# Altium PCB PCB2.PcbDoc
Units mil, origin at the board's own origin, x right, y up, seen from the top; angles counter-clockwise.
Board outline 3937.01 x 3937.01 mil, 2 copper layers (Top Layer, Bottom Layer); 68 components, 63 nets, 246 pads, 59 vias.
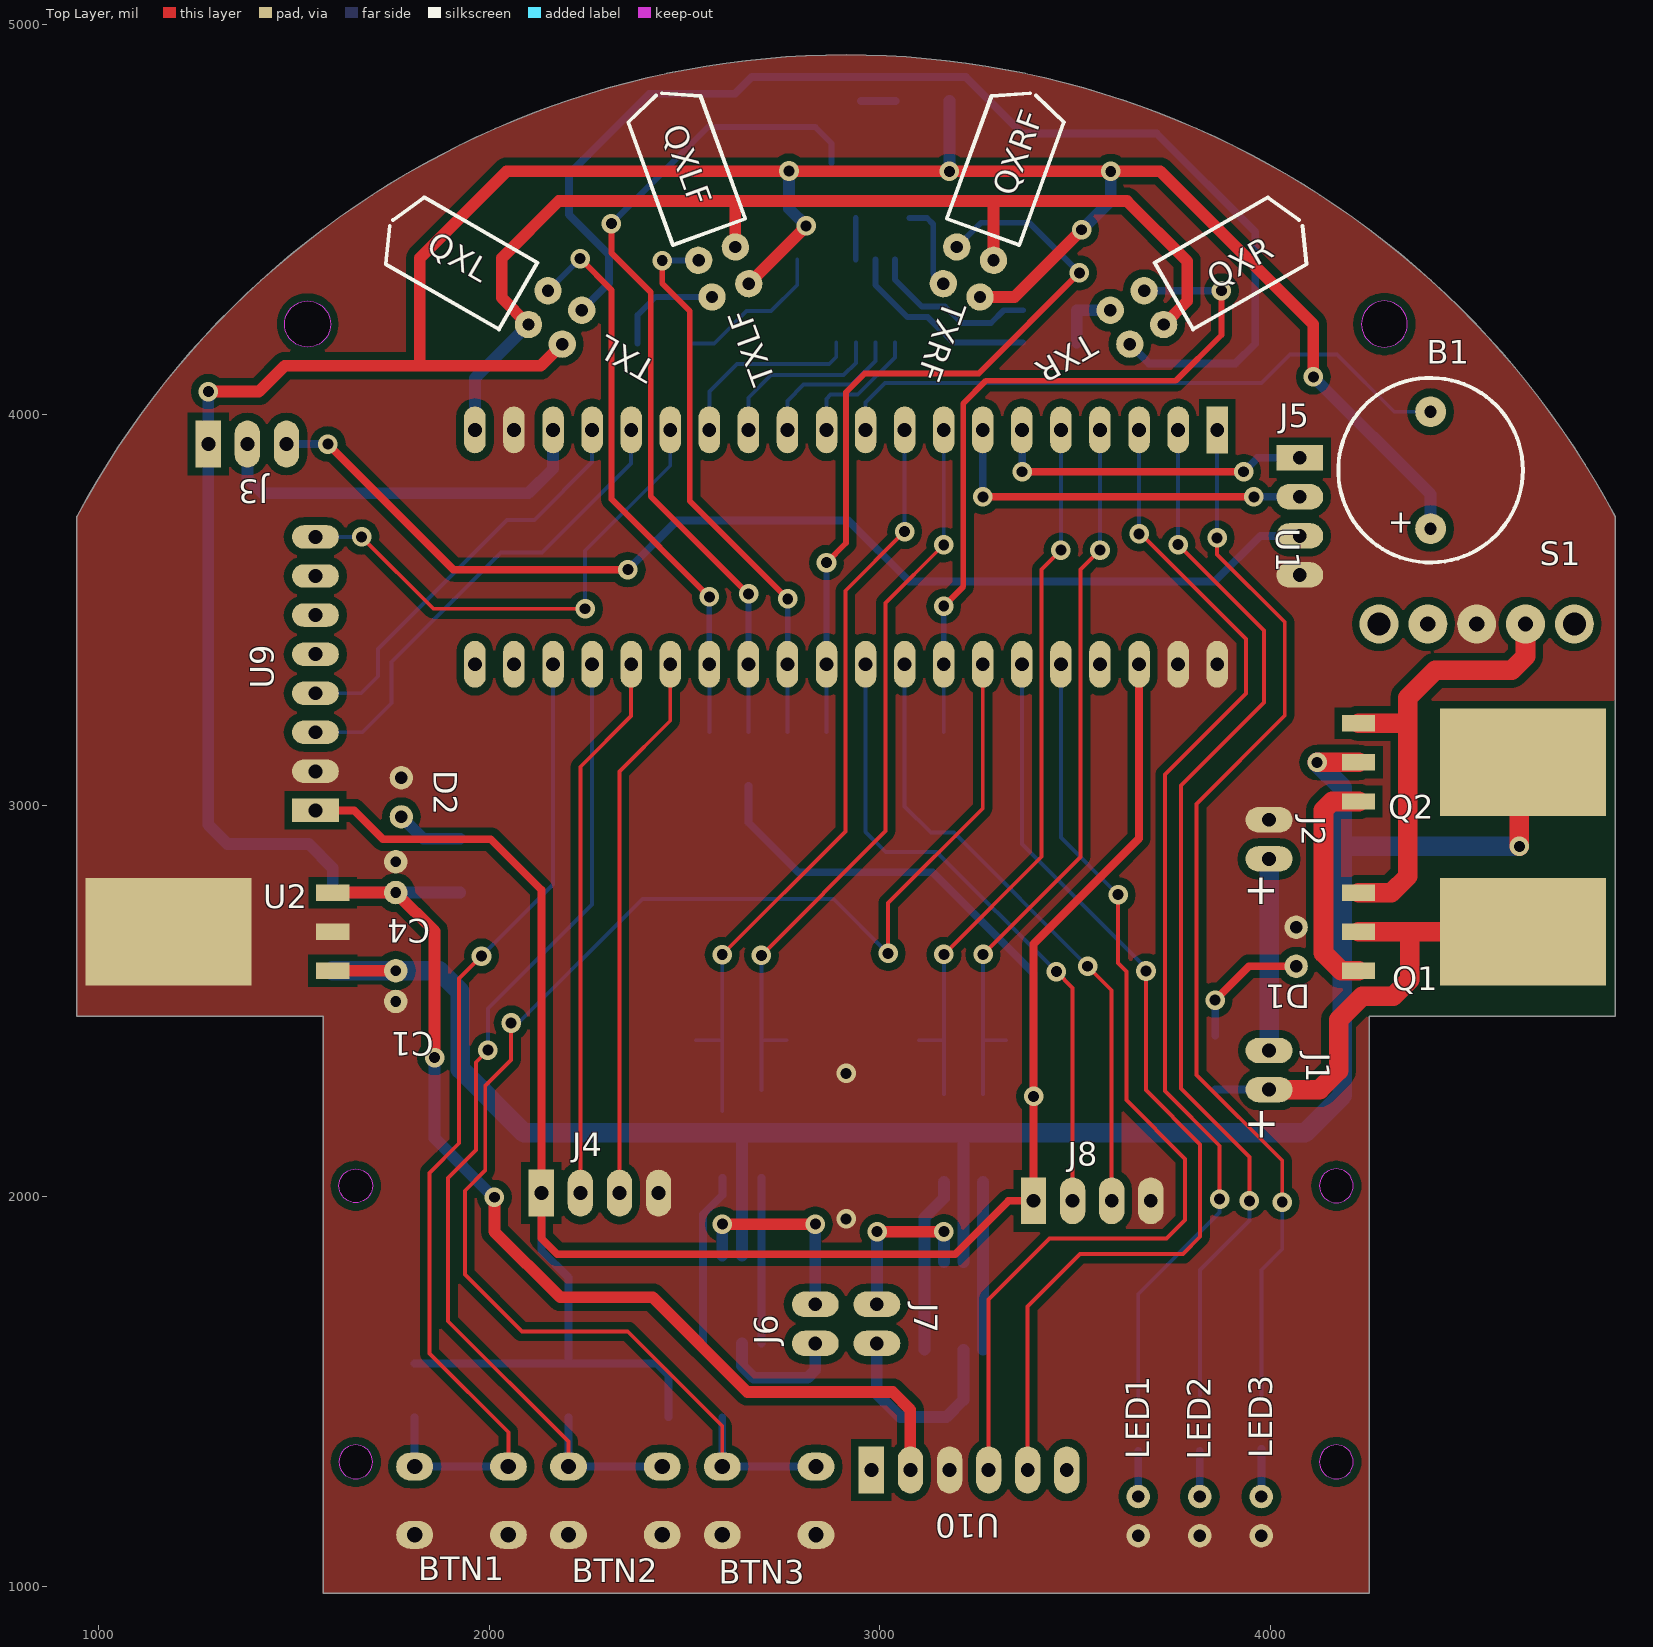
[diagram p0: Top Layer view]
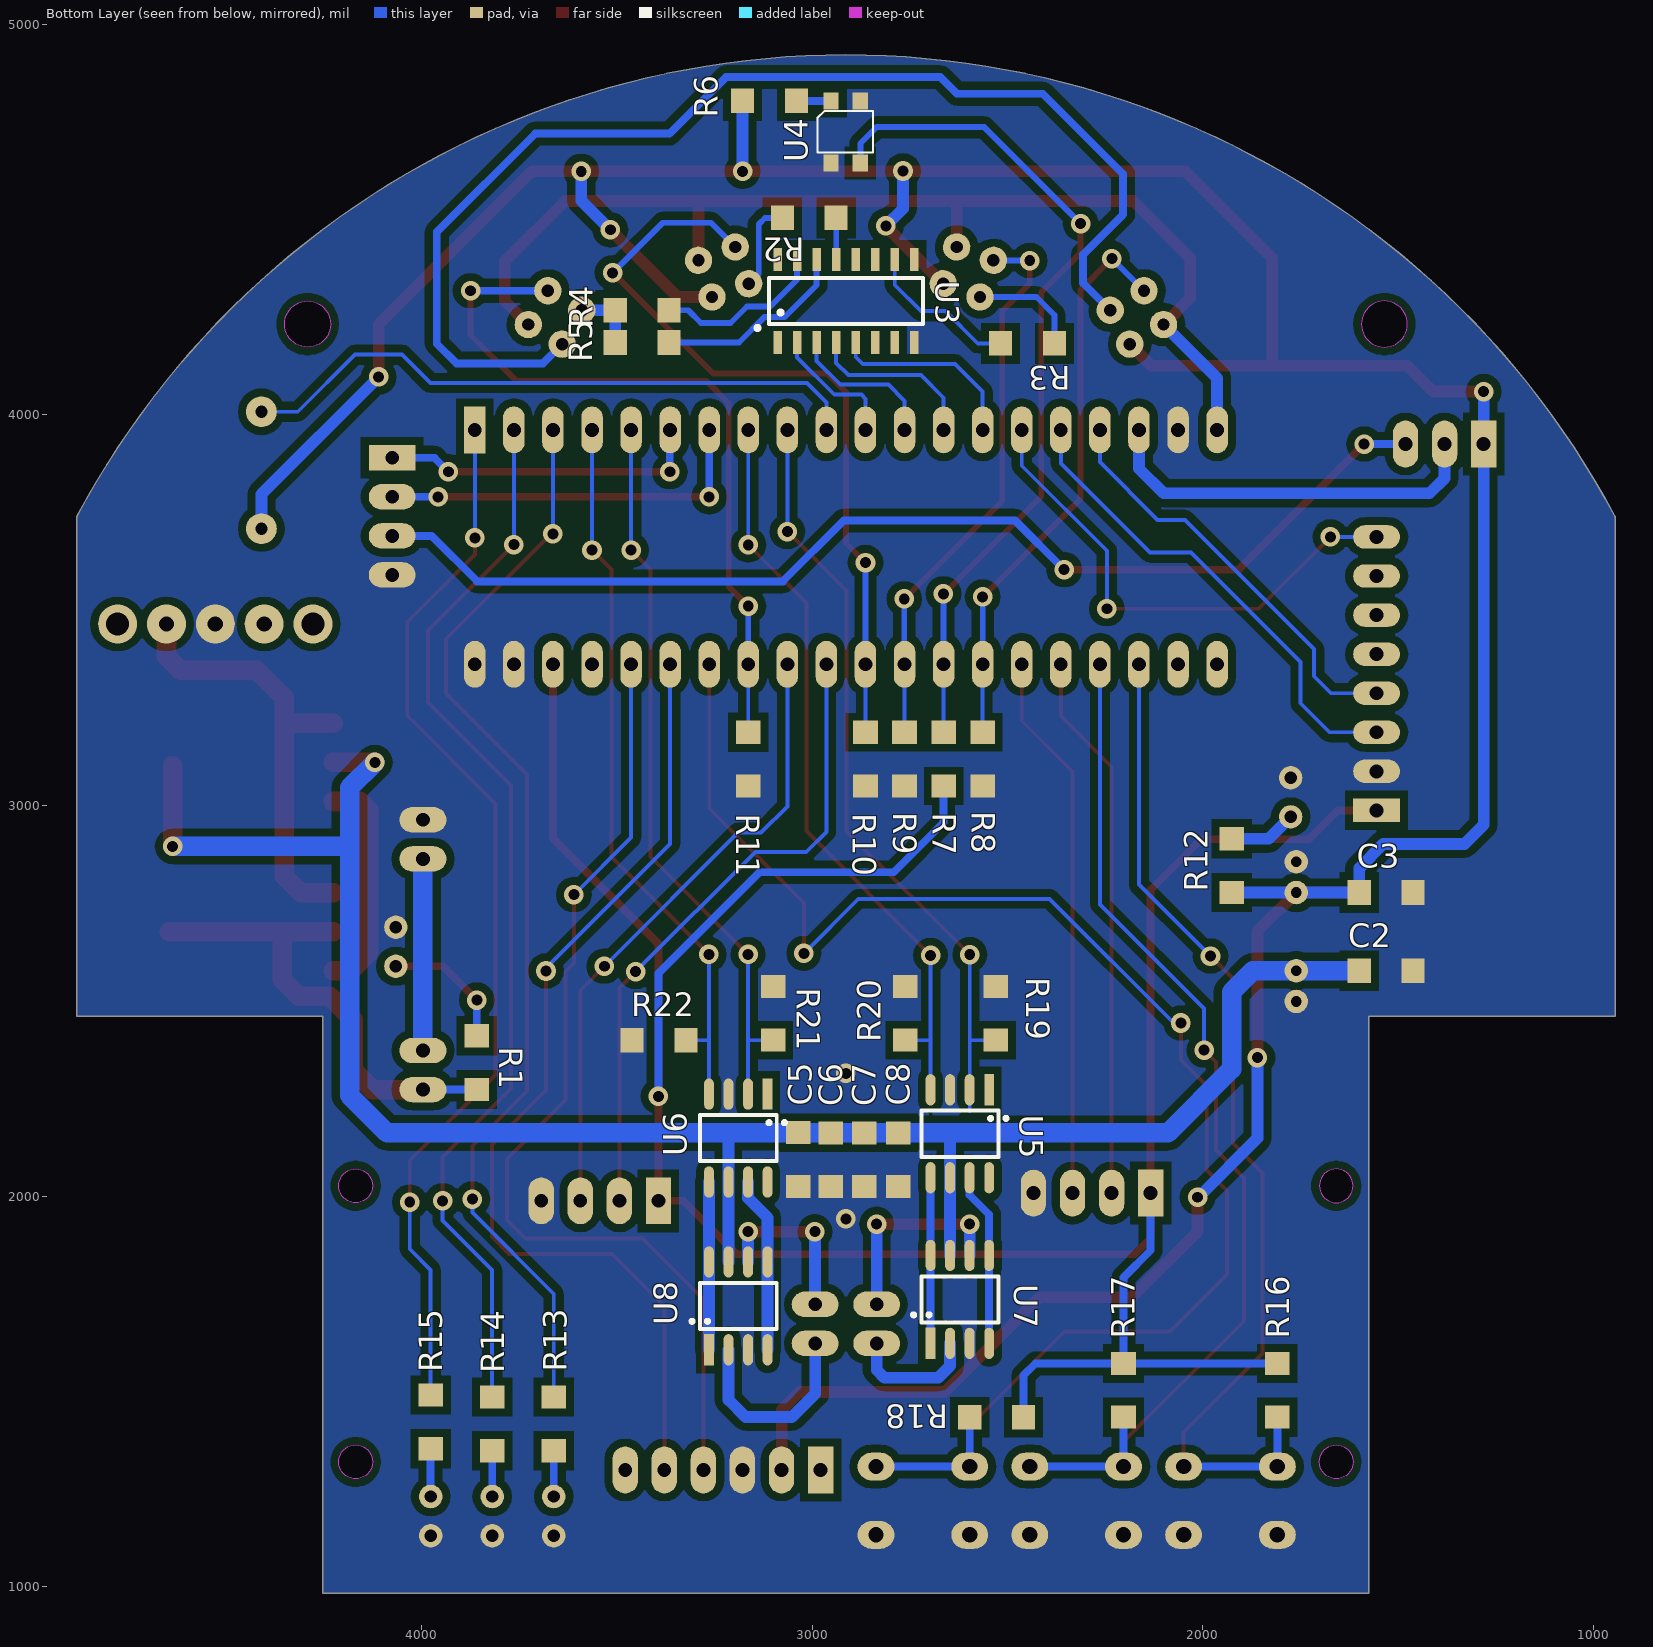
[diagram p1: Bottom Layer view, seen from below]
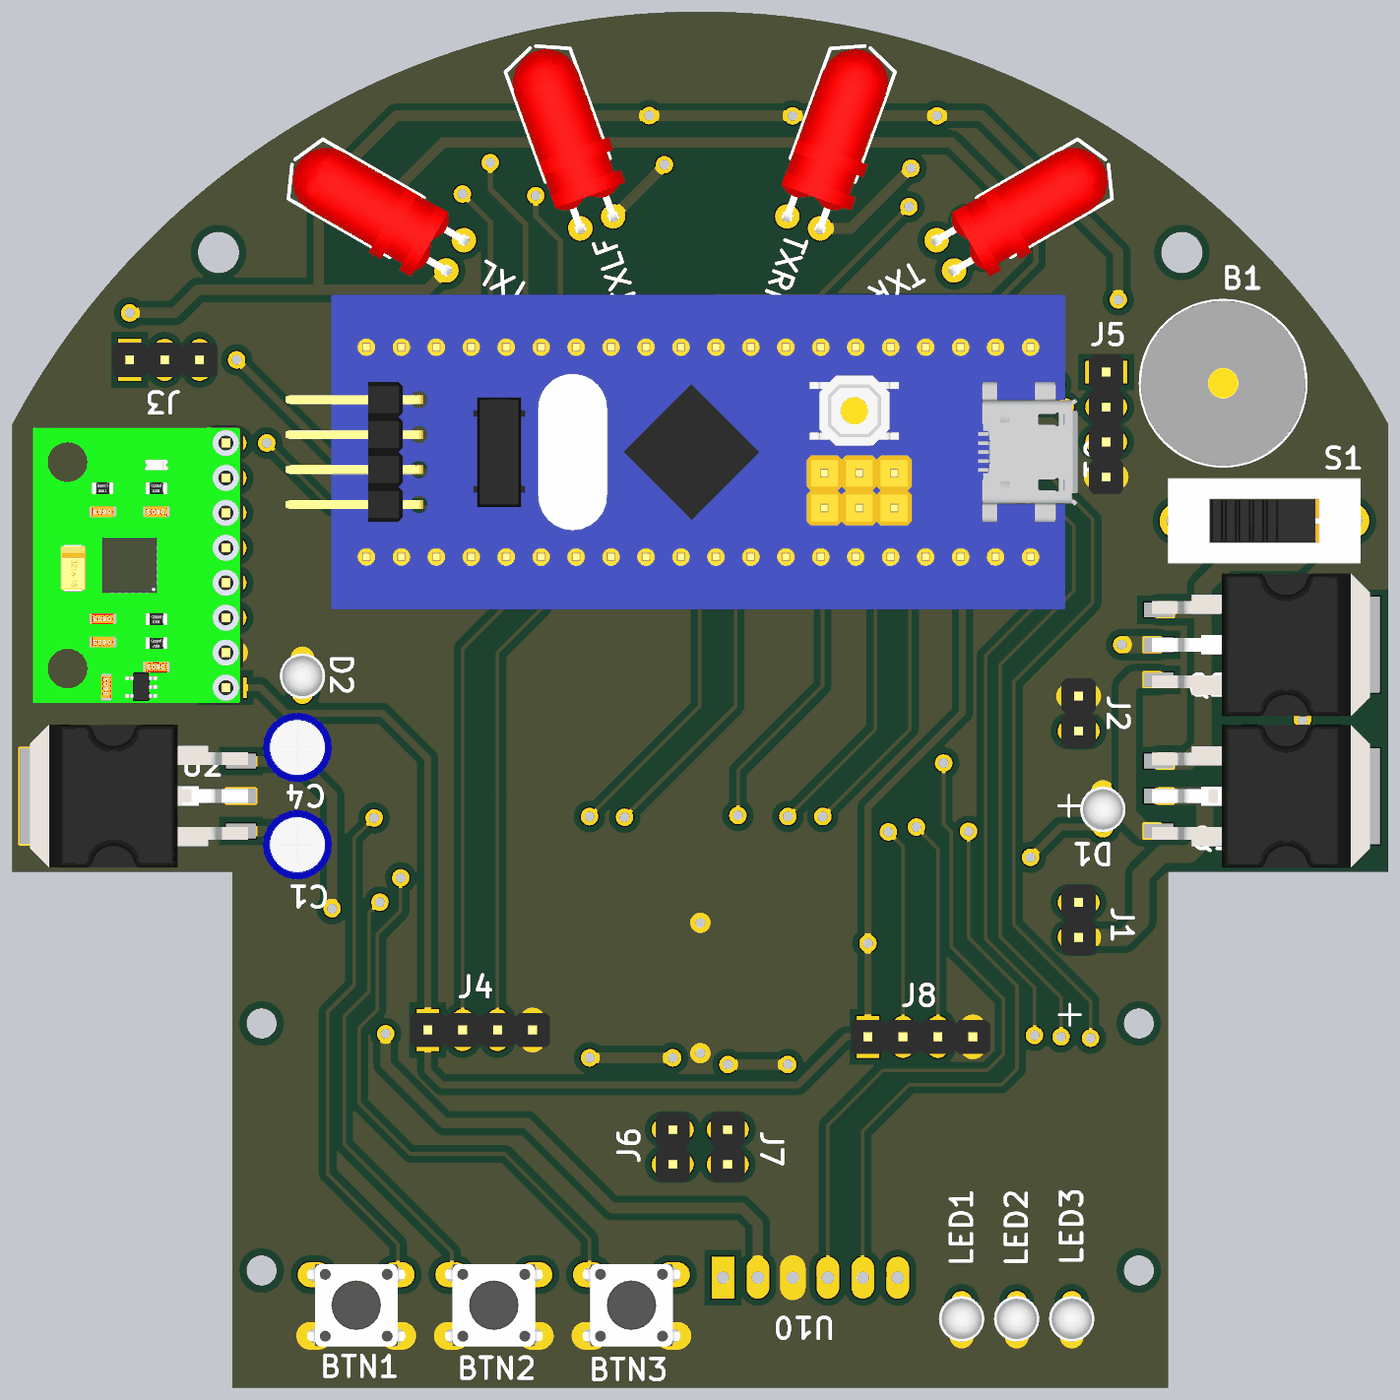
[diagram p2: 3D render of the assembled board from above, using the file's embedded part models]
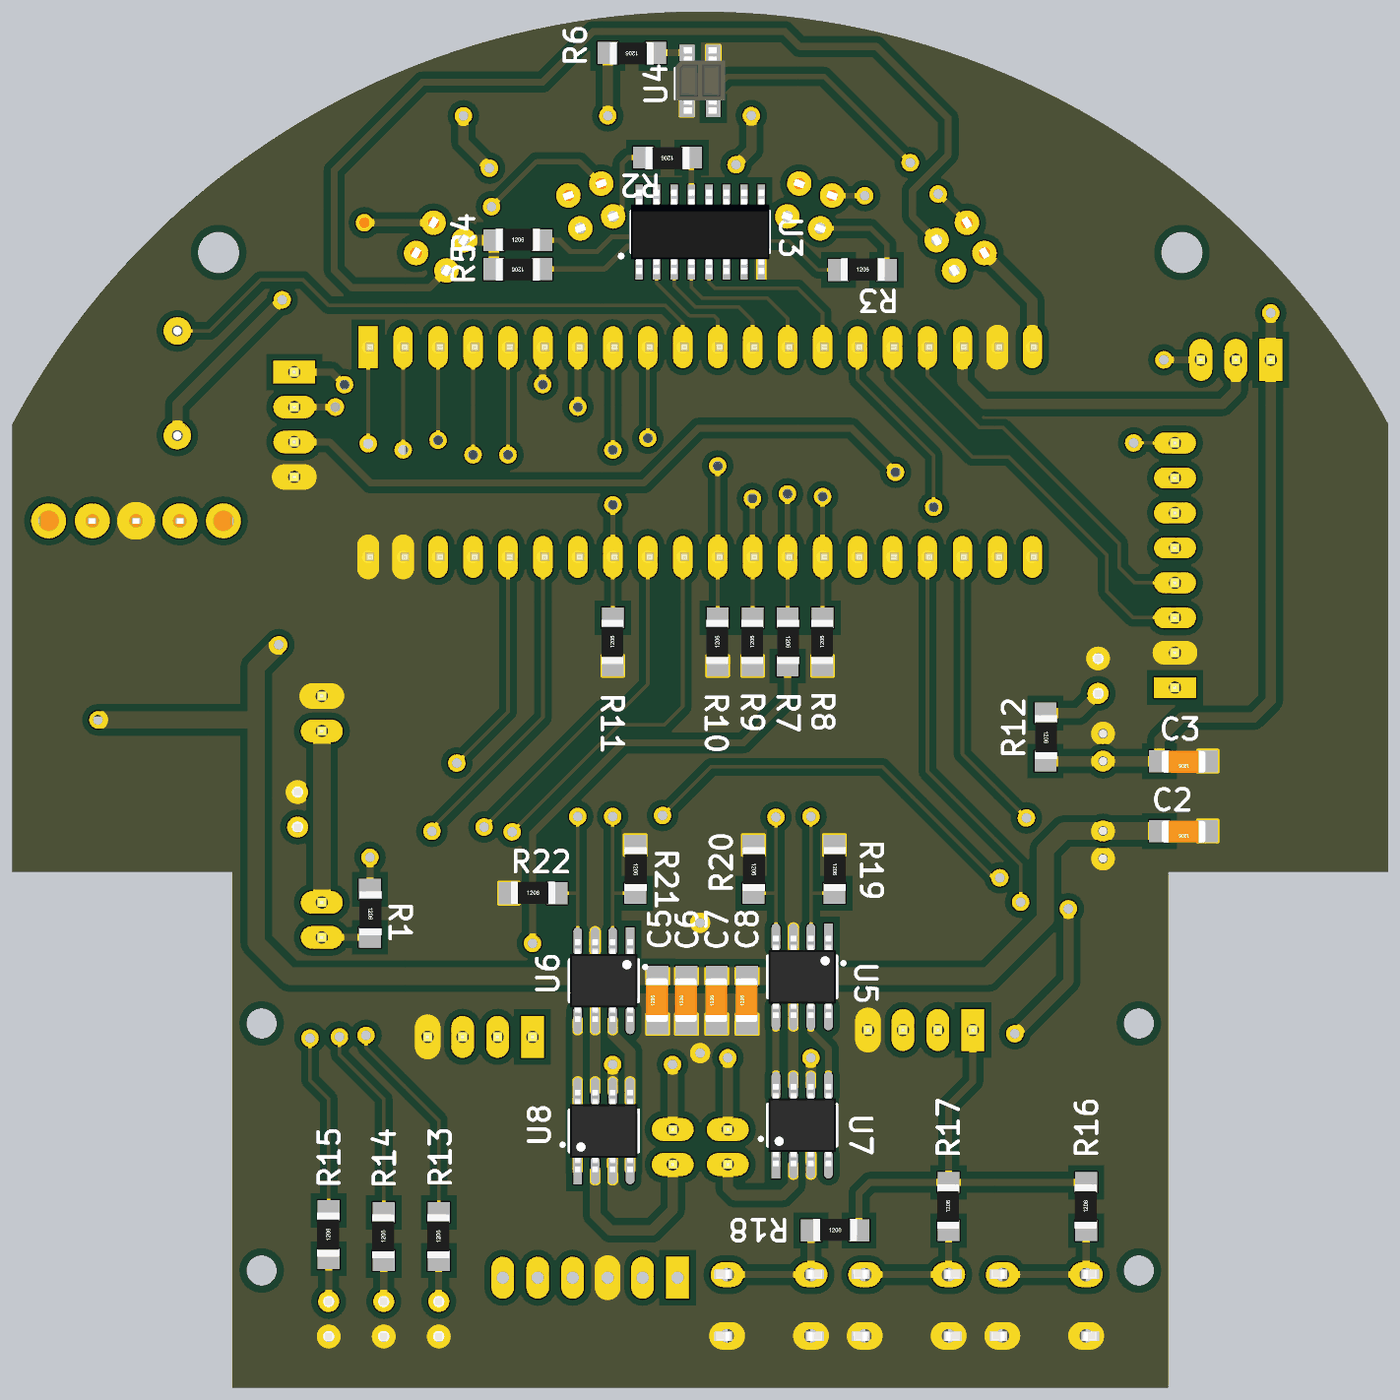
[diagram p3: 3D render of the assembled board from below, using the file's embedded part models]

## Layer stack, top to bottom
Top Solder: solder mask 0.4, Solder Resist, Dk 3.5
Top Layer: signal copper 1.4
Dielectric 1: dielectric 12.6, FR-4, Dk 4.8
Bottom Layer: signal copper 1.4
Bottom Solder: solder mask 0.4, Solder Resist, Dk 3.5

## Board outline
944.88,2460.63 1574.8,2460.63 1574.8,984.25 4251.97,984.25 4251.97,2460.63 4881.89,2460.63 4881.89,3740.16 ccw(c2913.39,2690.29) 944.88,3740.16
cut-out: 1594.24,4232.28 cw(c1535.18,4232.28) 1535.18,4173.23 cw(c1535.18,4232.28) 1476.13,4232.28 cw(c1535.18,4232.28) 1535.18,4291.34 cw(c1535.18,4232.28)
cut-out: 4232.28,4232.28 ccw(c4291.34,4232.28) 4291.34,4173.23 ccw(c4291.34,4232.28) 4350.39,4232.28 ccw(c4291.34,4232.28) 4291.34,4291.34 ccw(c4291.34,4232.28)
cut-out: 1615.16,1319.88 ccw(c1658.46,1319.88) 1658.46,1276.57 ccw(c1658.46,1319.88) 1701.77,1319.88 ccw(c1658.46,1319.88) 1658.46,1363.19 ccw(c1658.46,1319.88)
cut-out: 1658.46,1983.27 cw(c1658.46,2026.57) 1615.16,2026.57 cw(c1658.46,2026.57) 1658.46,2069.88 cw(c1658.46,2026.57) 1701.77,2026.57 cw(c1658.46,2026.57)
cut-out: 4125,2026.57 ccw(c4168.31,2026.57) 4168.31,1983.27 ccw(c4168.31,2026.57) 4211.61,2026.57 ccw(c4168.31,2026.57) 4168.31,2069.88 ccw(c4168.31,2026.57)
cut-out: 4125,1319.88 ccw(c4168.31,1319.88) 4168.31,1276.57 ccw(c4168.31,1319.88) 4211.61,1319.88 ccw(c4168.31,1319.88) 4168.31,1363.19 ccw(c4168.31,1319.88)

## Design rules (kind name [scope] priority, off if disabled: settings)
Clearance [All] p1: gap=10 except(20: Arc-Poly Track-Poly SMDPad-Poly THPad-Poly Via-Poly Fill-Poly Poly-Poly Poly-Region Poly-Text)
ComponentClearance [All] p1 off: gap=10 collisioncheckmode=3 verticalgap=0 showdistances=FALSE
Height [All] p1: minheight=0 maxheight=3937.01 prefheight=500
PolygonConnect [All] p1: connectstyle=Direct reliefconductorwidth=10 reliefentries=4 polygonreliefangle="90 Angle" airgapwidth=10
RoutingVias [All] p1: holewidth=28 width=50 viastyle="Through Hole" minholewidth=28 minwidth=50 maxholewidth=28 maxwidth=50
SolderMaskExpansion [All] p1: expansion=4
Width [All] p1: maxlimit=50 minlimit=10 preferedwidth=30
28 further rules are at their usual default settings.

## Components (designator, comment, footprint, x,y, rotation, side; value= is the part's Value field where it differs from the comment)
B1 "BUZZER" BUZZER-12MM 4409.45,3858.27 r90 top
BTN1 "BUTTON" TACT_SWITCH-SMALL-4PIN 1929.13,1220.47 r180 top
BTN2 "BUTTON" TACT_SWITCH-SMALL-4PIN 2322.83,1220.47 r180 top
BTN3 "BUTTON" TACT_SWITCH-SMALL-4PIN 2716.54,1220.47 r180 top
C1 "CAP-ELEC" CAP-ELEC-5x11x2mm 1761.02,2537.8 r270 top
C2 "CAP-CER" C1206 1530.56,2577.17 r0 bottom
C3 "CAP-CER" C1206 1530.56,2777.17 r0 bottom
C4 "CAP-ELEC" CAP-ELEC-5x11x2mm 1761.02,2816.54 r90 top
C5 "CAP-CER" C1206 3035.43,2093.7 r90 bottom
C6 "CAP-CER" C1206 2952.76,2093.31 r90 bottom
C7 "CAP-CER" C1206 2866.14,2093.31 r90 bottom
C8 "CAP-CER" C1206 2779.53,2093.31 r90 bottom
D1 "LED" LED-3MM-GREEN 4065.36,2638.58 r270 top
D2 "LED" LED-3MM-GREEN 1775.2,3020.87 r90 top
J1 "BAT" "HEADER 1x2" 3996.06,2322.83 r180 top
J2 "BAT" "HEADER 1x2" 3996.06,2913.39 r180 top
J3 "Jumper" "Header 1x3" 1281.1,3925.2 r90 top
J4 "ENCL" "Header 1x4" 2283.46,2007.87 r90 top
J5 "UART" "Header 1x4" 4074.8,3740.16 r0 top
J6 "MOTL" "HEADER 1x2" 2834.65,1673.23 r180 top
J7 "MOTR" "HEADER 1x2" 2992.13,1673.23 r180 top
J8 "ENCR" "Header 1x4" 3543.31,1988.19 r90 top
LED1 "LED" LED-3MM-GREEN 3661.42,1181.1 r270 top
LED2 "LED" LED-3MM-GREEN 3818.9,1181.1 r270 top
LED3 "LED" LED-3MM-GREEN 3976.38,1181.1 r270 top
Q1 "IRF5305S" TO-263 4525.42,2677.17 r270 top
Q2 "IRF5305S" TO-263 4525.42,3110.24 r270 top
QXL "QSD124" LED-5MM-RED-90-2 2125.42,4274.27 r240 top
QXLF "QSD124" LED-5MM-RED-90 2583.12,4412.44 r200 top
QXR "QSD124" LED-5MM-RED-90 3701.35,4274.27 r120 top
QXRF "QSD124" LED-5MM-RED-90 3243.65,4412.44 r160 top
R1 "RES" R1206 3858.27,2341.73 r270 bottom
R2 "RES" R1206 3007.28,4503.94 r0 bottom
R3 "RES" R1206 2448.82,4182.68 r180 bottom
R4 "RES" R1206 3435.04,4267.57 r180 bottom
R5 "RES" R1206 3435.04,4185.04 r0 bottom
R6 "RES" R1206 3109.06,4803.54 r0 bottom
R7 "RES" R1206 2663.39,3118.5 r270 bottom
R8 "RES" R1206 2563.39,3118.5 r90 bottom
R9 "RES" R1206 2763.39,3118.5 r90 bottom
R10 "RES" R1206 2863.39,3118.5 r90 bottom
R11 "RES" R1206 3163.39,3118.5 r90 bottom
R12 "RES" R1206 1925.59,2846.06 r270 bottom
R13 "RES" R1206 3661.42,1417.32 r90 bottom
R14 "RES" R1206 3818.9,1417.32 r90 bottom
R15 "RES" R1206 3976.38,1422.44 r90 bottom
R16 "RES" R1206 1809.13,1503.15 r90 bottom
R17 "RES" R1206 2202.83,1503.15 r90 bottom
R18 "RES" R1206 2527.64,1434.25 r180 bottom
R19 "RES" R1206 2529.53,2468.11 r270 bottom
R20 "RES" R1206 2761.42,2468.11 r270 bottom
R21 "RES" R1206 3099.61,2468.11 r270 bottom
R22 "RES" R1206 3391.73,2399.21 r180 bottom
S1 "SLIDE-SWITCH" SWITCH 4527.56,3464.57 r180 top
TXL "LED" LED-5MM-RED-90-2 2212.03,4224.27 r240 top
TXLF "SFH 4555" LED-5MM-RED-90 2617.32,4318.47 r200 top
TXR "LED" LED-5MM-RED-90 3614.75,4224.27 r120 top
TXRF "LED" LED-5MM-RED-90 3209.45,4318.47 r160 top
U1 "BLUE PILL STM32" BLUE_PILL 2913.39,3661.42 r270 top
U2 "LM2940" TO-263 1299.21,2677.17 r90 top
U3 "ULN2003A" SOIC-16-NARROW 2913.39,4291.34 r90 bottom
U4 "QRE1113GR" QRE1113GR 2913.39,4724.41 r270 bottom
U5 "4427" SOIC-8 2621.85,2159.74 r270 bottom
U6 "4427" SOIC-8 3188.98,2148.82 r270 bottom
U7 "ZXMHC3F381N8" SOIC-8 2621.85,1735.73 r90 bottom
U8 "ZXMHC3F381N8" SOIC-8 3188.98,1719.19 r90 bottom
U9 "GY-521" GY-521 1305.12,3337.4 r180 top
U10 "HC-05" HC-05 3228.35,1299.21 r90 top

## Footprints (in the part's own frame and the unit in brackets; to place one, negate y for a bottom-side part, rotate by r counter-clockwise, add the part's x,y. Pads: shape width x height; smd on the part's side, far side on the other; paste and mask are expansions set on the pad)
BLUE_PILL [mil]
  rect 120x55 hole 35.43: 1(-300,950)
  oval 120x55 hole 35.43: 2(-300,850) 3(-300,750) 4(-300,650) 5(-300,550) 6(-300,450) 7(-300,350) 8(-300,250) 9(-300,150) 10(-300,50) 11(-300,-50) 12(-300,-150) 13(-300,-250) 14(-300,-350) 15(-300,-450) 16(-300,-550) 17(-300,-650) 18(-300,-750) 19(-300,-850) 20(-300,-950) 21(300,-950) 22(300,-850) 23(300,-750) 24(300,-650) 25(300,-550) 26(300,-450) 27(300,-350) 28(300,-250) 29(300,-150) 30(300,-50) 31(300,50) 32(300,150) 33(300,250) 34(300,350) 35(300,450) 36(300,550) 37(300,650) 38(300,750) 39(300,850) 40(300,950)
  body extent -450,-1186 450,1080, height 638
BUZZER-12MM [mm]
  round 2 hole 0.8: 1(-3.8,0) 2(3.8,0)
  silkscreen extent -6,-6 6,6, body extent -6,-6 6,6, height 9.5
C1206 [mm]
  rect 1.5x1.6 smd: 1(-1.75,0) 2(1.75,0)
  body extent -1.6,-0.76 1.6,0.84, height 1.26
CAP-ELEC-5x11x2mm [mil]
  round 60 hole 27.56: 1(-39.37,0) 2(39.37,0)
  body extent -100,-99 99,99, height 454
GY-521 [mil]
  rect 120x60 hole 35.43: 1(-250,350)
  oval 120x60 hole 35.43: 2(-250,250) 3(-250,150) 4(-250,50) 5(-250,-50) 6(-250,-150) 7(-250,-250) 8(-250,-350)
  body extent -300,-400 300,400, height 220
HC-05 [mil]
  rect 120x65 hole 35.43: 1(0,250)
  oval 120x65 hole 35.43: 2(0,150) 3(0,50) 4(0,-50) 5(0,-150) 6(0,-250)
  body extent -217,-317 15,317, height 1496
"HEADER 1x2" [mil]
  oval 120x65 hole 35.43: 1(0,50) 2(0,-50)
  body extent -49,-100 49,100, height 336
"Header 1x3" [mil]
  rect 120x65 hole 35.43: 1(0,0)
  oval 120x65 hole 35.43: 2(0,-100) 3(0,-200)
  body extent -49,-250 49,50, height 336
"Header 1x4" [mil]
  rect 120x65 hole 35.43: 1(0,150)
  oval 120x65 hole 35.43: 2(0,50) 3(0,-50) 4(0,-150)
  body extent -49,-200 49,200, height 336
LED-3MM-GREEN [mil]
  round 60 hole 31.5: A(-50,0) K(50,0)
  body extent -66,-65 64,65, height 217
LED-5MM-RED-90 [mil]
  round 70 hole 31.5: A(-50,0) K(50,0)
  body extent -116,-421 96,10, height 234
LED-5MM-RED-90-2 [mil]
  round 70 hole 31.5: A(50,0) K(-50,0)
  body extent -96,-421 116,10, height 234
QRE1113GR [mm]
  rect 1.1x1 smd: A(-2.01,-0.97) C(2.04,0.94) E(-2.01,0.94) K(2.04,-0.97)
  silkscreen extent -1.35,-1.85 1.35,1.75, body extent -2.4,-1.8 2.4,1.8, height 1.83
R1206 [mm]
  rect 1.5x1.6 smd: 1(-1.75,0) 2(1.75,0)
  body extent -1.6,-0.76 1.6,0.84, height 0.68
SOIC-8 [mil]
  rect 80x25 smd: 1(-112.5,75)
  oval 80x25 smd: 2(-112.5,25) 3(-112.5,-25) 4(-112.5,-75) 5(112.5,-75) 6(112.5,-25) 7(112.5,25) 8(112.5,75)
  silkscreen extent -59,-98 59,122, body extent -118,-96 118,96, height 69
SOIC-16-NARROW [mm]
  rect 1.5x0.55 smd: 1(-2.7,4.445) 2(-2.7,3.175) 3(-2.7,1.905) 4(-2.7,0.635) 5(-2.7,-0.635) 6(-2.7,-1.905) 7(-2.7,-3.175) 8(-2.7,-4.445) 9(2.7,-4.445) 10(2.7,-3.175) 11(2.7,-1.905) 12(2.7,-0.635) 13(2.7,0.635) 14(2.7,1.905) 15(2.7,3.175) 16(2.7,4.445)
  silkscreen extent -2,-5 1.5,6, body extent -3.08,-5.04 3.08,5.04, height 2
SWITCH [mm]
  round 2.54 hole 1: 1(-3.175,0) 2(0,0) 3(3.175,0)
  round 2.54 hole 1.5: 4(-6.35,0) 4(6.35,0)
  body extent -7,-3.1 7,3.1, height 9.65
TACT_SWITCH-SMALL-4PIN [mm]
  oval 2.4x1.8 hole 1: 1(-3.048,2.222) 1(3.048,2.223) 2(-3.048,-2.223) 2(3.048,-2.222)
  body extent -3.99,-3 3.99,3, height 5.15
TO-263 [mil]
  rect 42x85 smd: 1(-100,-300.25) 2(0,-300.25) 3(100,-300.25)
  rect 275x425 smd: 2(0,120.25)
  body extent -204,-320 205,304, height 181

## Part data
B1: library part BUZZER-ACTIVE
J1 J2 J6 J7: library part "Header 1x2"
J3: library part "Header 1x3"
J4 J5 J8: library part "Header 1x4"
Q1 Q2: library part P-MOSFET
QXL QXLF QXR QXRF: library part "PHOTO NPN"
TXLF: library part LED
U9: library part "GY-521 (MPU6050)"

## Via types
v1: diameter 50, hole 28, Top Layer to Bottom Layer, 59 vias

## Nets (pads, with @x,y where several pads share a name; then routed paths per layer and width w, separated by ;. In a path a pad name is that pad's centre, name@x,y a point inside that pad or via, vN(x,y) a via of type N, cw(c..) or ccw(c..) an arc to the next point about the centre after c; other vN are vias at no path point)
3V3: J4.1 J8.1 QXL.A QXLF.A QXR.A QXRF.A R7.2 R16.2 R17.2 R18.2 U1.20 U1.38 U9.1 | length 9745.9
  Top Layer w20: U9.1 1654.72,2987.4 1728.35,2913.78 2003.94,2913.78 2133.46,2784.25 J4.1 2133.46,1892.13 2174.41,1851.18 3192.52,1851.18 3329.53,1988.19 J8.1 v1(3393.31,2255.51) 3393.31,2645.28 3663.39,2915.35 U1.38
  Top Layer w30: QXL.A 2031.89,4299.5 2031.89,4401.18 2177.95,4547.24 2630.11,4547.24 ; QXLF.A 2630.11,4547.24 ; QXRF.A 3290.63,4547.24 ; QXR.A 3786.61,4291.24 3786.61,4392.91 3632.28,4547.24 3290.63,4547.24 ; 2630.11,4547.24 3290.63,4547.24
  Bottom Layer w20: R16.2 R17.2 ; J4.1@2133.46,1988.19 2133.46,1861.42 2202.83,1792.05 R17.2 ; R18.2 2458.74,1541.26 2427.95,1572.05 R17.2 ; R7.2 2663.39,2956.69 2790.94,2829.13 3134.65,2829.13 3393.31,2570.47 v1(3393.31,2255.51)
  Bottom Layer w30: U1.20 1963.39,4093.93 QXL.A
5V: B1.1 C3.2 C4.1 J3.1 R6.2 R12.2 TXL.A TXLF.A TXRF.A U2.3 U10.2 | length 9886.3
  Top Layer w30: v1(1281.1,4059.45) 1410.24,4059.45 1476.38,4125.59 1822.05,4125.59 ; U2.3 C4.1 1860.24,2677.95 v1(1860.24,2354.72) ; v1(2013.39,1997.24) 2013.39,1909.45 2181.5,1741.34 2418.5,1741.34 2661.02,1498.82 3032.68,1498.82 3077.95,1453.54 U10.2@3077.95,1299.21 ; TXL.A 2131.65,4125.59 1822.05,4125.59 ; TXLF.A 2811.02,4482.29 v1(2811.02,4483.46) ; v1@3176.38,4621.65 v1(3177.95,4623.23) ; v1@3176.38,4623.62 2044.49,4623.62 1822.05,4401.18 1822.05,4125.59 ; v1@3177.95,4623.62 3717.72,4623.62 4109.45,4231.89 v1(4109.45,4096.85) ; TXRF.A 3344.29,4301.37 v1(3516.54,4473.62)
  Bottom Layer w30: v1(1281.1,4059.45) J3.1 1281.1,2950.39 1329.92,2901.58 1537.79,2901.58 1599.46,2839.91 C3.2 C4.1 R12.2 ; v1(1860.24,2354.72) 1860.24,2148.03 2011.02,1997.24 v1(2013.39,1997.24) ; v1(2767.32,4624.02) 2767.32,4527.17 v1(2811.02,4483.46) ; v1(3177.95,4623.23) R6.2 ; v1(3516.54,4473.62) 3590.94,4548.03 v1(3590.94,4623.23) ; v1(4109.45,4096.85) 4409.45,3796.85 B1.1
BTN1: BTN1.2 R16.1 U1.23 | length 2634.3
  Top Layer w10: v1(1980.32,2614.57) 1922.83,2557.09 1922.83,2135.43 1847.24,2059.84 1847.24,1597.64 2049.13,1395.75 BTN1.2@2049.13,1307.97
  Bottom Layer w10: v1(1980.32,2614.57) 2163.39,2797.64 U1.23
  Bottom Layer w20: R16.1 1809.13,1307.97 BTN1.2@2049.13,1307.97
BTN2: BTN2.2 R17.1 U1.24 | length 2699.9
  Top Layer w10: v1(1996.85,2373.62) 1966.14,2342.91 1966.14,2117.72 1894.88,2046.46 1894.88,1679.92 2202.83,1371.97 BTN2.2@2202.83,1307.97
  Bottom Layer w10: v1(1996.85,2373.62) 1996.85,2480.32 2263.39,2746.85 U1.24
  Bottom Layer w20: R17.1 2202.83,1307.97 BTN2.2@2442.83,1307.97
BTN3: BTN3.2 R18.1 U1.34 | length 3976.8
  Top Layer w10: v1(2056.3,2443.31) 2056.3,2348.43 1989.76,2281.89 1989.76,2065.75 1937.8,2013.78 1937.8,1799.21 2083.46,1653.54 2354.72,1653.54 2596.54,1411.73 BTN3.2@2596.54,1307.97 ; v1(3021.26,2621.65) 3021.26,2750 3263.39,2992.13 U1.34
  Bottom Layer w10: v1(2056.3,2443.31) 2074.41,2443.31 2392.13,2761.02 2881.89,2761.02 v1(3021.26,2621.65)
  Bottom Layer w20: R18.1 2596.54,1307.97 BTN3.2@2836.54,1307.97
BUZZER: B1.2 U1.10 | length 1627.4
  Bottom Layer w10: U1.10 2963.39,4031.5 3013.39,4081.5 3976.77,4081.5 4049.21,4153.94 4170.47,4153.94 4316.54,4007.87 B1.2
CNY: R7.1 U1.28 U4.C | length 2182.8
  Top Layer w15: v1(2312.6,4489.37) 2312.6,4414.57 2413.39,4313.78 2413.39,3791.08 2663.39,3541.08 2663.78,3541.47 v1(2663.78,3541.73)
  Bottom Layer w10: R7.1 U1.28
  Bottom Layer w15: v1(2312.6,4489.37) 2559.45,4736.22 2835.04,4736.22 2876.38,4694.88 U4.C ; U1.28 2663.78,3361.81 v1(2663.78,3541.73)
ENCL_A: J4.2 U1.25 | length 1407.4
  Top Layer w10: J4.2 2233.46,3099.21 2363.39,3229.13 U1.25
ENCL_B: J4.3 U1.26 | length 1407.4
  Top Layer w10: J4.3 2333.46,3087.01 2463.39,3216.93 U1.26
ENCR_A: J8.2 U1.31 | length 1669.1
  Top Layer w10: v1(3451.57,2574.8) 3493.31,2533.07 J8.2
  Bottom Layer w10: U1.31 2963.39,2932.68 3014.96,2881.1 3145.28,2881.1 v1(3451.57,2574.8)
ENCR_B: J8.3 U1.32 | length 1627.6
  Top Layer w10: v1(3531.89,2588.58) 3593.31,2527.17 J8.3
  Bottom Layer w10: U1.32 3063.39,2997.64 3130.32,2930.71 3189.76,2930.71 v1(3531.89,2588.58)
GND: BTN1.1 BTN2.1 BTN3.1 C1.2 C2.1 C3.1 C4.2 C5.1 C6.1 C7.1 C8.1 D1.A D2.K J2.2 J4.4 J5.4 J8.4 LED1.K LED2.K LED3.K R8.1 R9.1 R10.1 R11.1 R19.1 R20.1 R21.1 R22.1 S1.2 U1.19 U1.39 U1.40 U2.2 U3.8 U4.E U4.K U5.3 U6.3 U7.3 U8.3 U9.2 U10.3
  other v1: 2913.78,1941.73 2913.78,2314.57
LED1: R13.2 U1.3 | length 2821.6
  Top Layer w10: v1(3663.39,3695.28) 3668.11,3695.28 3937.4,3425.98 3937.4,3286.61 3729.92,3079.13 3729.92,2268.9 3869.68,2129.13 v1(3869.68,1992.52)
  Bottom Layer w10: R13.2 3661.42,1749.61 3869.68,1957.87 v1(3869.68,1992.52) ; v1(3663.39,3695.28) U1.3
LED2: R14.2 U1.2 | length 2773.6
  Top Layer w10: v1(3763.39,3667.72) 3982.68,3448.43 3982.68,3263.39 3770.87,3051.57 3770.87,2275.2 3945.67,2100.39 v1(3945.67,1988.19)
  Bottom Layer w10: v1(3763.39,3667.72) U1.2 ; R14.2@3818.9,1491.34 3818.9,1811.02 3945.67,1937.8 v1(3945.67,1988.19)
LED3: R15.2 U1.1 | length 2748.1
  Top Layer w10: v1(3863.39,3685.04) 3863.39,3642.13 4036.22,3469.29 4036.22,3229.92 3810.63,3004.33 3810.63,2310.24 4029.92,2090.94 v1(4029.92,1984.65)
  Bottom Layer w10: v1(3863.39,3685.04) U1.1 ; R15.2 3976.38,1811.02 4029.92,1864.57 v1(4029.92,1984.65)
MOTL_DIR: R19.2 U1.9 U5.2 | length 2004.3
  Top Layer w10: v1(2596.46,2618.5) 2910.63,2932.68 2911.81,2932.68 2911.81,3549.61 v1(3063.39,3701.18)
  Bottom Layer w10: R19.2 2596.46,2399.21 ; 2596.46,2218.11 2596.46,2399.21 ; v1(2596.46,2618.5) 2596.46,2399.21 ; v1(3063.39,3701.18) U1.9
MOTL_PWM: R20.2 U1.8 U5.4 | length 1947
  Top Layer w10: v1(2696.85,2616.54) 3014.57,2934.25 3014.57,3518.5 v1(3163.39,3667.32)
  Bottom Layer w10: U5.4 2696.85,2399.21 ; v1(2696.85,2616.54) 2696.85,2399.21 ; R20.2 2696.85,2399.21 ; v1(3163.39,3667.32) U1.8
MOTR_DIR: R22.2 U1.4 U6.4 | length 1883
  Top Layer w10: v1(3263.98,2618.7) 3513.78,2868.5 3513.78,3603.94 v1(3563.39,3653.54)
  Bottom Layer w10: U6.4 3263.98,2399.21 ; v1(3263.98,2618.7) 3263.98,2399.21 ; R22.2 3263.98,2399.21 ; v1(3563.39,3653.54) U1.4
MOTR_PWM: R21.2 U1.5 U6.2 | length 1888.5
  Top Layer w10: v1(3163.98,2618.7) 3414.17,2868.9 3414.17,3604.33 v1(3463.39,3653.54)
  Bottom Layer w10: R21.2 3163.98,2399.21 ; U6.2 3163.98,2399.21 ; v1(3163.98,2618.7) 3163.98,2399.21 ; v1(3463.39,3653.54) U1.5
MPU_INT: U1.15 U9.8 | length 1314.8
  Top Layer w10: v1(1673.23,3687.4) 1857.09,3503.54 v1(2245.67,3503.54)
  Bottom Layer w10: U9.8 v1(1673.23,3687.4) ; v1(2245.67,3503.54) 2245.67,3651.97 2463.39,3869.68 U1.15
NetD1_K: D1.K R1.1 | length 334.3
  Top Layer w20: v1(3858.27,2501.97) 3944.88,2588.58 D1.K
  Bottom Layer w20: R1.1 v1(3858.27,2501.97)
NetD2_A: D2.A R12.1 | length 173.5
  Bottom Layer w30: D2.A 1831.1,2914.96 R12.1
NetJ1_1: J1.1 Q1.2 R1.2 | length 1234.2
  Top Layer w50: J1.1 4125.2,2272.83 4174.02,2321.65 4174.02,2451.18 4234.25,2511.42 4313.78,2511.42 4356.69,2554.33 4356.69,2677.17 ; Q1.2@4225.17,2677.17 4356.69,2677.17 ; Q1.2@4645.67,2677.17 4356.69,2677.17
  Bottom Layer w20: R1.2 J1.1
NetJ1_2: J1.2 J2.1 | length 490.6
  Bottom Layer w50: J1.2 J2.1
NetJ3_2: J3.2 U1.18 | length 1010.7
  Bottom Layer w30: J3.2 1381.1,3837.8 1419.69,3799.21 2100,3799.21 2163.39,3862.6 U1.18
NetJ6_1: J6.1 U7.2 | length 334.1
  Bottom Layer w30: U7.2 2646.85,1565.75 2677.17,1535.43 2814.96,1535.43 2834.65,1555.12 J6.1
NetJ6_2: J6.2 U7.6 | length 523
  Top Layer w30: v1(2596.85,1928.35) v1(2834.65,1928.35)
  Bottom Layer w30: U7.6 v1(2596.85,1928.35) ; J6.2 v1(2834.65,1928.35)
NetJ7_1: J7.1 U8.2 | length 521.7
  Bottom Layer w30: J7.1 2992.13,1494.49 3051.97,1434.65 3170.08,1434.65 3213.98,1478.54 U8.2
NetJ7_2: J7.2 U8.6 | length 435.1
  Top Layer w30: v1(2992.72,1909.25) v1(3163.98,1909.25)
  Bottom Layer w30: J7.2 2992.72,1723.82 v1(2992.72,1909.25) ; U8.6 v1(3163.98,1909.25)
NetLED1_A: LED1.A R13.1 | length 117.3
  Bottom Layer w20: LED1.A R13.1
NetLED2_A: LED2.A R14.1 | length 117.3
  Bottom Layer w20: LED2.A R14.1
NetLED3_A: LED3.A R15.1 | length 122.4
  Bottom Layer w20: LED3.A R15.1
NetQ1_G: Q1.1 Q2.1 S1.1 | length 1154.4
  Top Layer w50: Q1.1 4309.45,2777.17 4351.18,2818.9 4351.18,3210.24 ; Q2.1 4351.18,3210.24 ; S1.1 4652.56,3381.69 4616.93,3346.06 4421.26,3346.06 4351.18,3275.98 4351.18,3210.24
NetQ1_S: Q1.3 Q2.3 | length 573.1
  Top Layer w50: Q1.3 4180.71,2577.17 4135.43,2622.44 4135.43,2988.19 4157.48,3010.24 Q2.3
NetR2_1: R2.1 U3.13 | length 106.3
  Bottom Layer w15: U3.13 R2.1
NetR2_2: R2.2 TXRF.K | length 230
  Bottom Layer w15: R2.2 3120.47,4503.94 3136.61,4487.8 3136.61,4361.42 TXRF.K
NetR3_1: R3.1 U3.10 | length 398.1
  Bottom Layer w10: R3.1 2575.98,4182.68 2658.66,4265.35 2721.65,4265.35 2788.39,4332.09 U3.10
NetR3_2: R3.2 TXLF.K | length 282.3
  Bottom Layer w15: R3.2 2379.92,4255.51 2425.78,4301.37 TXLF.K
NetR4_1: R4.1 R5.2 TXR.K | length 168.3
  Bottom Layer w30: R5.2 R4.1 TXR.K
NetR4_2: R4.2 U3.15 | length 438.7
  Bottom Layer w15: U3.15 3038.39,4346.26 3107.48,4277.17 3166.93,4277.17 3209.06,4235.04 3284.25,4235.04 3316.79,4267.57 R4.2
NetR5_1: R5.1 U3.14 | length 504
  Bottom Layer w15: U3.14 2988.39,4332.48 3070.87,4250 3122.44,4250 3187.4,4185.04 R5.1
NetR6_1: R6.1 U4.A | length 88.6
  Bottom Layer w20: U4.A R6.1
NetTXL_K: TXL.K TXR.A | length 3091.5
  Bottom Layer w20: TXL.K 2306.3,4336.85 2306.3,4410.24 2203.94,4512.6 2203.94,4616.14 2409.45,4821.65 2629.13,4821.65 2672.05,4864.57 3220.08,4864.57 3364.96,4719.69 3708.66,4719.69 3960.63,4467.72 3960.63,4182.28 3909.84,4131.5 3689.22,4131.5 TXR.A
NetU5_5: U5.5 U7.1 U7.8 | length 424
  Bottom Layer w20: U7.1 U7.8 U5.5
NetU5_7: U5.7 U7.4 U7.5 | length 444.7
  Bottom Layer w20: U7.4 U7.5 2546.85,1952.76 2596.85,2002.76 U5.7
NetU6_5: U6.5 U8.1 U8.8 | length 429.6
  Bottom Layer w30: U8.1 U8.8 U6.5
NetU6_7: U6.7 U8.4 U8.5 | length 450.3
  Bottom Layer w30: U8.4 U8.5 3113.98,1944.68 3163.98,1994.68 U6.7
QXL: QXL.K R8.2 U1.27 | length 1465.7
  Top Layer w15: v1(2232.68,4399.83) 2313.39,4319.12 2313.39,3783.86 v1(2563.39,3533.86)
  Bottom Layer w10: R8.2 U1.27
  Bottom Layer w15: QXL.K v1(2232.68,4399.83) ; U1.27 v1(2563.39,3533.86)
QXLF: QXLF.K R9.2 U1.29 | length 1434.9
  Top Layer w15: v1(2442.91,4394.88) 2442.91,4336.22 2513.39,4265.75 2513.39,3779.53 v1(2764.17,3528.74)
  Bottom Layer w10: R9.2 U1.29
  Bottom Layer w15: v1(2442.91,4394.88) 2534.24,4394.88 2535.42,4396.06 QXLF.K ; U1.29 2764.17,3362.2 v1(2764.17,3528.74)
QXR: QXR.K R11.2 U1.33 | length 1907.1
  Top Layer w15: v1(3163.39,3510.24) 3213.39,3560.24 3213.39,4029.13 3271.26,4087.01 3757.09,4087.01 3874.27,4204.19 v1(3874.27,4317.57)
  Bottom Layer w10: R11.2 U1.33
  Bottom Layer w15: U1.33 v1(3163.39,3510.24)
  Bottom Layer w20: QXR.K v1(3874.27,4317.57)
QXRF: QXRF.K R10.2 U1.30 | length 2007.9
  Top Layer w15: v1(2863.39,3621.65) 2913.39,3671.65 2913.39,4057.87 2961.42,4105.91 3253.15,4105.91 v1(3510.63,4363.39)
  Bottom Layer w10: R10.2 U1.30
  Bottom Layer w15: U1.30 v1(2863.39,3621.65) ; QXRF.K 3258.85,4491.73 3382.28,4491.73 v1(3510.63,4363.39)
RX_BT: U1.36 U10.4 | length 2577.7
  Top Layer w10: U10.4@3277.95,1299.21 3277.95,1735.43 3434.25,1891.73 3733.86,1891.73 3781.1,1938.98 3781.1,2095.67 3631.1,2245.67 3631.1,2575.59 3609.84,2596.85 v1(3609.84,2771.65)
  Bottom Layer w10: U1.36 3463.39,2918.11 v1(3609.84,2771.65)
RX_PROG: J5.2 U1.7 | length 982.7
  Top Layer w20: v1(3263.39,3790.16) v1(3957.48,3790.16)
  Bottom Layer w20: v1(3263.39,3790.16) U1.7 ; v1(3957.48,3790.16) J5.2
SCL_MPU: U1.16 U9.3 | length 1254.1
  Bottom Layer w10: U9.3 1675.59,3187.4 1750,3261.81 1750,3366.93 2030.32,3647.25 2135.43,3647.25 2363.39,3875.2 2363.39,3941.42 2355.1,3941.42 2343.39,3953.13 U1.16@2343.39,3961.42
SDA_MPU: U1.17 U9.4 | length 1076.5
  Bottom Layer w10: U9.4 1671.65,3287.4 1714.96,3330.71 1714.96,3400.4 2045.77,3731.2 2115.45,3731.2 2263.39,3879.13 U1.17
TX_BT: U1.35 U10.5 | length 2588.7
  Top Layer w10: U10.5@3377.95,1299.21 3377.95,1718.11 3511.81,1851.97 3775.59,1851.97 3819.68,1896.06 3819.68,2132.68 3681.1,2271.26 v1(3681.1,2576.38)
  Bottom Layer w10: U1.35 3363.39,2901.57 3681.1,2583.86 v1(3681.1,2576.38)
TX_PROG: J5.1 U1.6 | length 832.9
  Top Layer w20: v1(3364.17,3854.33) v1(3931.1,3854.33)
  Bottom Layer w20: U1.6 3364.17,3960.63 v1(3364.17,3854.33) ; v1(3931.1,3854.33) 3966.93,3890.16 J5.1
TX_SIDE: U1.11 U3.2 | length 336.7
  Bottom Layer w10: U1.11 2863.39,4040.94 2874.02,4051.57 2943.31,4051.57 3038.39,4146.65 U3.2
TX_SIDE_H: U1.12 U3.3 | length 389
  Bottom Layer w10: U1.12 2763.39,4035.83 2804.72,4077.17 2927.95,4077.17 2988.39,4137.6 U3.3
TXLF: U1.14 U3.5 | length 496.8
  Bottom Layer w10: U1.14 2563.39,4059.45 2633.86,4129.92 2870.47,4129.92 2888.39,4147.83 U3.5
TXRF: U1.13 U3.4 | length 446.4
  Bottom Layer w10: U1.13 2663.39,4043.7 2721.26,4101.57 2907.09,4101.57 2938.39,4132.87 U3.4
UART_5V: J3.3 J5.3 | length 2892
  Top Layer w20: v1(1587.01,3925.2) 1908.66,3603.54 v1(2354.72,3603.54)
  Bottom Layer w20: J3.3 v1(1587.01,3925.2) ; v1(2354.72,3603.54) 2480.71,3729.53 2918.9,3729.53 3074.8,3573.62 3857.48,3573.62 3974.02,3690.16 J5.3
VBAT: C1.1 C2.2 C5.2 C6.2 C7.2 C8.2 Q2.2 U2.1 U5.6 U6.6 U7.7 U8.7 | length 5357.2
  Top Layer w30: U2.1 C1.1 ; Q2.2@4636.61,3101.18 Q2.2@4645.67,3110.24
  Top Layer w50: v1(4119.29,3110.24) Q2.2@4225.17,3110.24 ; v1(4636.61,2895.28) Q2.2@4636.61,3101.18
  Bottom Layer w30: U7.7 U5.6 2646.85,2162.2 ; U8.7 U6.6 3213.98,2145.67
  Bottom Layer w50: C2.2 C1.1 1871.65,2577.17 1926.38,2522.44 1926.38,2325.2 2089.37,2162.2 2646.85,2162.2 C8.2 C7.2 C6.2 4087.8,2162.2 4183.86,2258.27 4183.86,2895.28 ; v1(4119.29,3110.24) 4183.86,3045.67 4183.86,2895.28 ; v1(4636.61,2895.28) 4183.86,2895.28
pads on no net: S1.3 S1.4 U1.21 U1.22 U1.37 U3.1 U3.6 U3.7 U3.9 U3.11 U3.12 U3.16 U5.1 U5.8 U6.1 U6.8 U9.5 U9.6 U9.7 U10.1 U10.6

## Polygon pours and split planes (outlines as drawn)
GND on Bottom Layer "B-GND" (solid, remove dead copper, pour order 2): 944.63,2460.38 944.63,3739.91 cw(c2913.14,2690.04) 4881.64,3739.91 4881.64,2460.38 4251.72,2460.38 4251.72,984 1574.55,984 1574.55,2460.38
GND on Top Layer "T-GND" (solid, remove dead copper, pour order 0): 944.63,2460.38 944.63,3739.91 cw(c2913.14,2690.04) 4881.64,3739.91 4881.64,2460.38 4251.72,2460.38 4251.72,984 1574.55,984 1574.55,2460.38

## Silkscreen, mask and mechanical layers (free items; w line width, h text height)
Top Overlay:
  lines w10: 1745.44,4483.83 1735.15,4385.95 2024.96,4218.62 2123.39,4389.1 1833.58,4556.42 1753.95,4498.57 ; 2426.74,4817.23 2355.94,4748.85 2470.39,4434.39 2655.37,4501.72 2540.92,4816.18 2442.73,4823.05 ; 3384.04,4823.05 3285.85,4816.18 3171.4,4501.72 3356.38,4434.39 3470.83,4748.85 3400.03,4817.23 ; 4072.82,4498.57 3993.2,4556.42 3703.38,4389.1 3801.81,4218.62 4091.62,4385.95 4081.33,4483.83
  text "+" at 4020.47,2815.36 h78.74 r180
  text "+" at 4022.84,2217.32 h78.74 r180
Mechanical 1:
  circle w10: c4168.31,2026.57 r43.31
  circle w10: c4168.31,1319.88 r43.31
  circle w10: c1658.46,1319.88 r43.31
  circle w10: c1658.46,2026.57 r43.31
  circle w10: c1535.18,4232.28 r59.06
  circle w10: c4291.34,4232.28 r59.06
  lines w10: 4025.59,1403.54 4084.65,1403.54 ; 944.88,2460.63 944.88,3740.16 cw(c2913.39,2690.29) 4881.89,3740.16 4881.89,2460.63 4251.97,2460.63 4251.97,984.25 1574.8,984.25 1574.8,2460.63 944.88,2460.63
Mechanical 2:
  lines w10: 1574.8,1236.22 1742.13,1236.22 1742.13,1403.54 2566.93,1403.54 2566.93,1942.91 1742.13,1942.91 1742.13,2110.24 1574.8,2110.24 ; 2913.39,984.25 2913.39,4921.26 ; 4251.97,1236.22 4084.65,1236.22 4084.65,1403.54 3259.84,1403.54 3259.84,1942.91 4084.65,1942.91 4084.65,2110.24 4251.97,2110.24 ; 1909.45,2066.93 1909.45,2578.74 3917.32,2578.74 3917.32,2066.93 1909.45,2066.93 ; 1909.45,2657.48 1909.45,3169.29 3917.32,3169.29 3917.32,2657.48 1909.45,2657.48

## Text inside footprints (layer, text, board x,y; h text height)
B1: Top Overlay "+" at 4358.27,3688.98 h60 r90